# Altium PCB 测试样板PCB.PcbDoc (part 2 of 5) (continued)
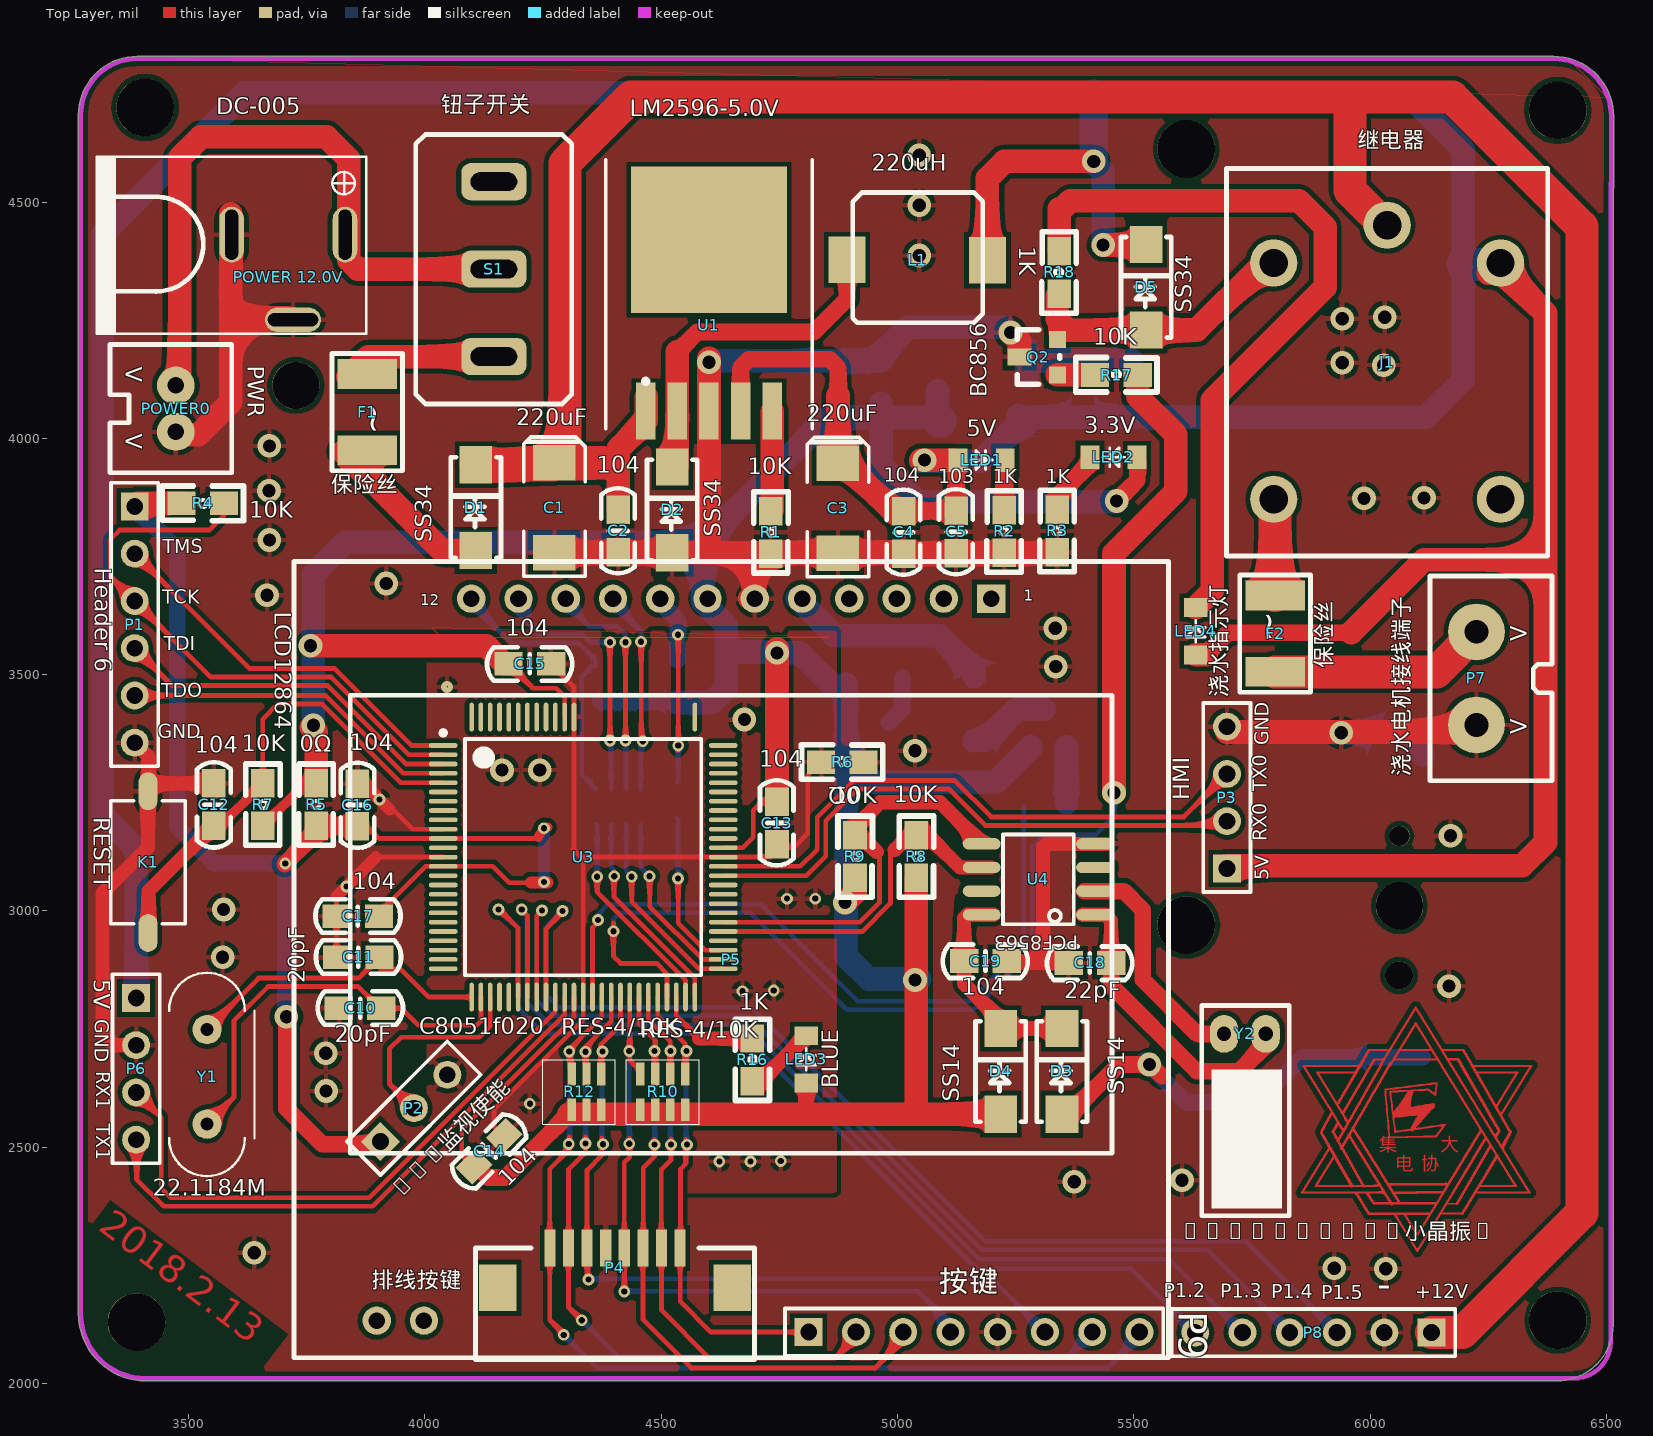
[diagram p0: Top Layer view]
## Nets (pads, with @x,y where several pads share a name; then routed paths per layer and width w, separated by ;. In a path a pad name is that pad's centre, name@x,y a point inside that pad or via, vN(x,y) a via of type N, cw(c..) or ccw(c..) an arc to the next point about the centre after c; other vN are vias at no path point) (continued)
5943.4,2454.6 ; 5937.8,2496.2 5945,2496.2 ; 5937.8,2499.4 5942.6,2499.4 ; 5937.8,2500.2 5942.6,2500.2 ; 5937.8,2528.2 5942.6,2528.2 ; 5937.8,2540.2 5943.4,2540.2 ; 5937.8,2541 5942.6,2541 ; 5937.8,2574.6 5945.8,2574.6 ; 5937.8,2575.4 5946.6,2575.4 ; 5937.8,2606.6 5942.6,2606.6 ; 5937.8,2607.4 5942.6,2607.4 ; 5938.6,2452.2 5944.2,2452.2 ; 5938.6,2453 5944.2,2453 ; 5938.6,2529 5942.6,2529 ; 5938.6,2529.8 5943.4,2529.8 ; 5938.6,2539.4 5949,2539.4 ; 5938.6,2573.8 5945.8,2573.8 ; 5938.6,2608.2 5943.4,2608.2 ; 5938.6,2609 5943.4,2609 ; 5939.4,2451.4 5945.8,2451.4 ; 5939.4,2461 5940.2,2461 ; 5939.4,2530.6 5943.4,2530.6 ; 5939.4,2531.4 5944.2,2531.4 ; 5939.4,2538.6 5948.2,2538.6 ; 5939.4,2572.2 5944.2,2572.2 ; 5939.4,2573 5945,2573 ; 5939.4,2609.8 5944.2,2609.8 ; 5940.2,2449.8 5946.6,2449.8 ; 5940.2,2450.6 5945.8,2450.6 ; 5940.2,2495.4 5945,2495.4 ; 5940.2,2532.2 5944.2,2532.2 ; 5940.2,2533 5945,2533 ; 5940.2,2537.8 5947.4,2537.8 ; 5940.2,2571.4 5944.2,2571.4 ; 5940.2,2610.6 5944.2,2610.6 ; 5940.2,2611.4 5945,2611.4 ; 5941,2448.2 5947.4,2448.2 ; 5941,2449 5946.6,2449 ; 5941,2494.6 5945.8,2494.6 ; 5941,2505 5945.8,2505 ; 5941,2505.8 5945.8,2505.8 ; 5941,2533.8 5945.8,2533.8 ; 5941,2534.6 5946.6,2534.6 ; 5941,2536.2 5946.6,2536.2 ; 5941,2537 5947.4,2537 ; 5941,2569.8 5945,2569.8 ; 5941,2570.6 5944.2,2570.6 ; 5941,2612.2 5945.8,2612.2 ; 5941,2613 5945.8,2613 ; 5941.8,2446.6 5948.2,2446.6 ; 5941.8,2447.4 5948.2,2447.4 ; 5941.8,2456.2 5942.6,2456.2 ; 5941.8,2493 5946.6,2493 ; 5941.8,2493.8 5945.8,2493.8 ; 5941.8,2506.6 5946.6,2506.6 ; 5941.8,2535.4 5946.6,2535.4 ; 5941.8,2568.2 5945.8,2568.2 ; 5941.8,2569 5945,2569 ; 5941.8,2613.8 5946.6,2613.8 ; 5942.6,2445.8 5948.2,2445.8 ; 5942.6,2491.4 5947.4,2491.4 ; 5942.6,2492.2 5946.6,2492.2 ; 5942.6,2507.4 5946.6,2507.4 ; 5942.6,2508.2 5947.4,2508.2 ; 5942.6,2567.4 5946.6,2567.4 ; 5942.6,2576.2 5946.6,2576.2 ; 5942.6,2577 5947.4,2577 ; 5942.6,2614.6 5946.6,2614.6 ; 5942.6,2615.4 5947.4,2615.4 ; 5943.4,2444.2 5949.8,2444.2 ; 5943.4,2445 5949,2445 ; 5943.4,2489.8 5948.2,2489.8 ; 5943.4,2490.6 5947.4,2490.6 ; 5943.4,2509 5947.4,2509 ; 5943.4,2509.8 5948.2,2509.8 ; 5943.4,2565.8 5947.4,2565.8 ; 5943.4,2566.6 5946.6,2566.6 ; 5943.4,2577.8 5948.2,2577.8 ; 5943.4,2578.6 5948.2,2578.6 ; 5943.4,2616.2 5948.2,2616.2 ; 5943.4,2617 5948.2,2617 ; 5944.2,2442.6 5950.6,2442.6 ; 5944.2,2443.4 5950.6,2443.4 ; 5944.2,2488.2 5949,2488.2 ; 5944.2,2489 5949,2489 ; 5944.2,2510.6 5949,2510.6 ; 5944.2,2511.4 5949,2511.4 ; 5944.2,2540.2 5949,2540.2 ; 5944.2,2564.2 5948.2,2564.2 ; 5944.2,2565 5948.2,2565 ; 5944.2,2579.4 5949,2579.4 ; 5944.2,2580.2 5949,2580.2 ; 5944.2,2617.8 5949,2617.8 ; 5944.2,2618.6 5949,2618.6 ; 5945,2441 5951.4,2441 ; 5945,2441.8 5949.8,2441.8 ; 5945,2487.4 5949.8,2487.4 ; 5945,2512.2 5949.8,2512.2 ; 5945,2541 5949.8,2541 ; 5945,2560.2 5950.6,2560.2 ; 5945,2561 5949.8,2561 ; 5945,2561.8 5949.8,2561.8 ; 5945,2563.4 5949,2563.4 ; 5945,2581 5949.8,2581 ; 5945,2619.4 5949.8,2619.4 ; 5945,2620.2 5949.8,2620.2 ; 5945.8,2439.4 5952.2,2439.4 ; 5945.8,2440.2 5952.2,2440.2 ; 5945.8,2485.8 5950.6,2485.8 ; 5945.8,2486.6 5949.8,2486.6 ; 5945.8,2513 5949.8,2513 ; 5945.8,2513.8 5950.6,2513.8 ; 5945.8,2541.8 5949.8,2541.8 ; 5945.8,2542.6 5950.6,2542.6 ; 5945.8,2559.4 5950.6,2559.4 ; 5945.8,2562.6 5949,2562.6 ; 5945.8,2581.8 5949.8,2581.8 ; 5945.8,2582.6 5950.6,2582.6 ; 5945.8,2621 5950.6,2621 ; 5945.8,2621.8 5951.4,2621.8 ; 5946.6,2438.6 5953,2438.6 ; 5946.6,2484.2 5951.4,2484.2 ; 5946.6,2485 5950.6,2485 ; 5946.6,2514.6 5951.4,2514.6 ; 5946.6,2515.4 5951.4,2515.4 ; 5946.6,2543.4 5950.6,2543.4 ; 5946.6,2544.2 5951.4,2544.2 ; 5946.6,2558.6 5951.4,2558.6 ; 5946.6,2583.4 5951.4,2583.4 ; 5946.6,2584.2 5951.4,2584.2 ; 5946.6,2622.6 5951.4,2622.6 ; 5947.4,2437 5953.8,2437 ; 5947.4,2437.8 5953,2437.8 ; 5947.4,2482.6 5952.2,2482.6 ; 5947.4,2483.4 5951.4,2483.4 ; 5947.4,2516.2 5952.2,2516.2 ; 5947.4,2545 5952.2,2545 ; 5947.4,2545.8 5952.2,2545.8 ; 5947.4,2557 5953,2557 ; 5947.4,2557.8 5952.2,2557.8 ; 5947.4,2585 5952.2,2585 ; 5947.4,2623.4 5952.2,2623.4 ; 5947.4,2624.2 5952.2,2624.2 ; 5948.2,2435.4 5953.8,2435.4 ; 5948.2,2436.2 5954.6,2436.2 ; 5948.2,2481 5953,2481 ; 5948.2,2481.8 5953,2481.8 ; 5948.2,2517 5952.2,2517 ; 5948.2,2517.8 5953,2517.8 ; 5948.2,2546.6 5953,2546.6 ; 5948.2,2556.2 5958.6,2556.2 ; 5948.2,2585.8 5952.2,2585.8 ; 5948.2,2586.6 5953,2586.6 ; 5948.2,2625 5953,2625 ; 5949,2433.8 5954.6,2433.8 ; 5949,2434.6 5953.8,2434.6 ; 5949,2480.2 5953.8,2480.2 ; 5949,2518.6 5953,2518.6 ; 5949,2519.4 5953.8,2519.4 ; 5949,2547.4 5953,2547.4 ; 5949,2548.2 5953.8,2548.2 ; 5949,2555.4 5957.8,2555.4 ; 5949,2587.4 5953.8,2587.4 ; 5949,2588.2 5953.8,2588.2 ; 5949,2625.8 5953.8,2625.8 ; 5949,2626.6 5953.8,2626.6 ; 5949.8,2433 5956.2,2433 ; 5949.8,2478.6 5954.6,2478.6 ; 5949.8,2479.4 5953.8,2479.4 ; 5949.8,2520.2 5954.6,2520.2 ; 5949.8,2521 5954.6,2521 ; 5949.8,2549 5953.8,2549 ; 5949.8,2549.8 5954.6,2549.8 ; 5949.8,2554.6 5957,2554.6 ; 5949.8,2589 5954.6,2589 ; 5949.8,2627.4 5954.6,2627.4 ; 5949.8,2628.2 5954.6,2628.2 ; 5950.6,2431.4 5957,2431.4 ; 5950.6,2432.2 5957,2432.2 ; 5950.6,2441.8 5951.4,2441.8 ; 5950.6,2477 5955.4,2477 ; 5950.6,2477.8 5954.6,2477.8 ; 5950.6,2521.8 5960.2,2521.8 ; 5950.6,2550.6 5955.4,2550.6 ; 5950.6,2551.4 5955.4,2551.4 ; 5950.6,2553 5956.2,2553 ; 5950.6,2553.8 5957,2553.8 ; 5950.6,2589.8 5954.6,2589.8 ; 5950.6,2590.6 5955.4,2590.6 ; 5950.6,2629 5955.4,2629 ; 5950.6,2629.8 5956.2,2629.8 ; 5951.4,2429.8 5957.8,2429.8 ; 5951.4,2430.6 5957.8,2430.6 ; 5951.4,2475.4 5956.2,2475.4 ; 5951.4,2476.2 5956.2,2476.2 ; 5951.4,2522.6 5960.2,2522.6 ; 5951.4,2523.4 5959.4,2523.4 ; 5951.4,2552.2 5956.2,2552.2 ; 5951.4,2591.4 5955.4,2591.4 ; 5951.4,2592.2 5956.2,2592.2 ; 5951.4,2630.6 5956.2,2630.6 ; 5952.2,2428.2 5957,2428.2 ; 5952.2,2429 5958.6,2429 ; 5952.2,2474.6 5957,2474.6 ; 5952.2,2524.2 5958.6,2524.2 ; 5952.2,2525 5958.6,2525 ; 5952.2,2593 5957,2593 ; 5952.2,2593.8 5957,2593.8 ; 5952.2,2631.4 5957,2631.4 ; 5952.2,2632.2 5957,2632.2 ; 5952.2,2633 5957.8,2633 ; 5953,2426.6 5958.6,2426.6 ; 5953,2427.4 5959.4,2427.4 ; 5953,2473 5957.8,2473 ; 5953,2473.8 5957,2473.8 ; 5953,2525.8 5957.8,2525.8 ; 5953,2526.6 5957.8,2526.6 ; 5953,2527.4 5958.6,2527.4 ; 5953,2594.6 5957.8,2594.6 ; 5953,2633.8 5957.8,2633.8 ; 5953.8,2425.8 5960.2,2425.8 ; 5953.8,2471.4 5958.6,2471.4 ; 5953.8,2472.2 5957.8,2472.2 ; 5953.8,2528.2 5958.6,2528.2 ; 5953.8,2557 5958.6,2557 ; 5953.8,2595.4 5957.8,2595.4 ; 5953.8,2596.2 5958.6,2596.2 ; 5953.8,2634.6 5958.6,2634.6 ; 5953.8,2635.4 5959.4,2635.4 ; 5954.6,2424.2 5961,2424.2 ; 5954.6,2425 5959.4,2425 ; 5954.6,2434.6 5955.4,2434.6 ; 5954.6,2469.8 5959.4,2469.8 ; 5954.6,2470.6 5958.6,2470.6 ; 5954.6,2529 5959.4,2529 ; 5954.6,2557.8 5959.4,2557.8 ; 5954.6,2597 5959.4,2597 ; 5954.6,2597.8 5959.4,2597.8 ; 5954.6,2636.2 5959.4,2636.2 ; 5954.6,2637 5960.2,2637 ; 5955.4,2422.6 5961.8,2422.6 ; 5955.4,2423.4 5961.8,2423.4 ; 5955.4,2468.2 5960.2,2468.2 ; 5955.4,2469 5960.2,2469 ; 5955.4,2529.8 5960.2,2529.8 ; 5955.4,2530.6 5960.2,2530.6 ; 5955.4,2558.6 5959.4,2558.6 ; 5955.4,2559.4 5960.2,2559.4 ; 5955.4,2598.6 5960.2,2598.6 ; 5955.4,2637.8 5960.2,2637.8 ; 5955.4,2638.6 5961,2638.6 ; 5956.2,2421 5963.4,2421 ; 5956.2,2421.8 5962.6,2421.8 ; 5956.2,2467.4 5961,2467.4 ; 5956.2,2521 5961,2521 ; 5956.2,2531.4 5961,2531.4 ; 5956.2,2532.2 5961,2532.2 ; 5956.2,2560.2 5960.2,2560.2 ; 5956.2,2561 5961,2561 ; 5956.2,2599.4 5960.2,2599.4 ; 5956.2,2600.2 5961,2600.2 ; 5957,2420.2 5963.4,2420.2 ; 5957,2465.8 5961.8,2465.8 ; 5957,2466.6 5961,2466.6 ; 5957,2519.4 5961.8,2519.4 ; 5957,2520.2 5961,2520.2 ; 5957,2533 5961.8,2533 ; 5957,2561.8 5961.8,2561.8 ; 5957,2562.6 5961.8,2562.6 ; 5957,2601 5961,2601 ; 5957,2601.8 5961.8,2601.8 ; 5957,2639.4 5961.8,2639.4 ; 5957,2640.2 5961.8,2640.2 ; 5957,2641 5962.6,2641 ; 5957.8,2428.2 5958.6,2428.2 ; 5957.8,2464.2 5962.6,2464.2 ; 5957.8,2465 5961.8,2465 ; 5957.8,2517.8 5962.6,2517.8 ; 5957.8,2518.6 5962.6,2518.6 ; 5957.8,2533.8 5961.8,2533.8 ; 5957.8,2534.6 5962.6,2534.6 ; 5957.8,2563.4 5962.6,2563.4 ; 5957.8,2602.6 5962.6,2602.6 ; 5957.8,2603.4 5962.6,2603.4 ; 5957.8,2641.8 5962.6,2641.8 ; 5957.8,2642.6 5963.4,2642.6 ; 5958.6,2462.6 5963.4,2462.6 ; 5958.6,2463.4 5962.6,2463.4 ; 5958.6,2517 5963.4,2517 ; 5958.6,2535.4 5963.4,2535.4 ; 5958.6,2536.2 5963.4,2536.2 ; 5958.6,2564.2 5962.6,2564.2 ; 5958.6,2565 5963.4,2565 ; 5958.6,2604.2 5963.4,2604.2 ; 5958.6,2643.4 5963.4,2643.4 ; 5958.6,2644.2 5964.2,2644.2 ; 5959.4,2416.2 5961.8,2416.2 ; 5959.4,2426.6 5960.2,2426.6 ; 5959.4,2461 5964.2,2461 ; 5959.4,2461.8 5964.2,2461.8 ; 5959.4,2515.4 5964.2,2515.4 ; 5959.4,2516.2 5964.2,2516.2 ; 5959.4,2537 5968.2,2537 ; 5959.4,2565.8 5963.4,2565.8 ; 5959.4,2566.6 5964.2,2566.6 ; 5959.4,2605 5963.4,2605 ; 5959.4,2605.8 5964.2,2605.8 ; 5959.4,2645 5965,2645 ; 5960.2,2425 5961,2425 ; 5960.2,2460.2 5965,2460.2 ; 5960.2,2513.8 5965,2513.8 ; 5960.2,2514.6 5965,2514.6 ; 5960.2,2537.8 5968.2,2537.8 ; 5960.2,2538.6 5967.4,2538.6 ; 5960.2,2567.4 5964.2,2567.4 ; 5960.2,2568.2 5965,2568.2 ; 5960.2,2606.6 5965,2606.6 ; 5960.2,2607.4 5965,2607.4 ; 5960.2,2645.8 5965,2645.8 ; 5960.2,2646.6 5965.8,2646.6 ; 5961,2458.6 5965.8,2458.6 ; 5961,2459.4 5965,2459.4 ; 5961,2513 5965.8,2513 ; 5961,2539.4 5966.6,2539.4 ; 5961,2540.2 5966.6,2540.2 ; 5961,2541 5966.6,2541 ; 5961,2541.8 5966.6,2541.8 ; 5961,2542.6 5967.4,2542.6 ; 5961,2569 5965.8,2569 ; 5961,2608.2 5965.8,2608.2 ; 5961,2647.4 5965.8,2647.4 ; 5961,2648.2 5966.6,2648.2 ; 5961.8,2457 5966.6,2457 ; 5961.8,2457.8 5965.8,2457.8 ; 5961.8,2511.4 5966.6,2511.4 ; 5961.8,2512.2 5966.6,2512.2 ; 5961.8,2543.4 5967.4,2543.4 ; 5961.8,2569.8 5965.8,2569.8 ; 5961.8,2570.6 5966.6,2570.6 ; 5961.8,2609 5965.8,2609 ; 5961.8,2609.8 5966.6,2609.8 ; 5961.8,2649 5967.4,2649 ; 5961.8,2649.8 5967.4,2649.8 ; 5962.6,2455.4 5967.4,2455.4 ; 5962.6,2456.2 5966.6,2456.2 ; 5962.6,2510.6 5967.4,2510.6 ; 5962.6,2571.4 5966.6,2571.4 ; 5962.6,2572.2 5967.4,2572.2 ; 5962.6,2610.6 5967.4,2610.6 ; 5962.6,2611.4 5967.4,2611.4 ; 5963.4,2454.6 5968.2,2454.6 ; 5963.4,2509 5968.2,2509 ; 5963.4,2509.8 5967.4,2509.8 ; 5963.4,2544.2 5968.2,2544.2 ; 5963.4,2573 5967.4,2573 ; 5963.4,2573.8 5968.2,2573.8 ; 5963.4,2612.2 5968.2,2612.2 ; 5963.4,2613 5968.2,2613 ; 5963.4,2650.6 5968.2,2650.6 ; 5963.4,2651.4 5968.2,2651.4 ; 5963.4,2652.2 5969,2652.2 ; 5964.2,2453 5969,2453 ; 5964.2,2453.8 5968.2,2453.8 ; 5964.2,2507.4 5969,2507.4 ; 5964.2,2508.2 5969,2508.2 ; 5964.2,2536.2 5969,2536.2 ; 5964.2,2545 5968.2,2545 ; 5964.2,2545.8 5969,2545.8 ; 5964.2,2574.6 5969,2574.6 ; 5964.2,2575.4 5969,2575.4 ; 5964.2,2613.8 5969,2613.8 ; 5964.2,2653 5969,2653 ; 5964.2,2653.8 5969.8,2653.8 ; 5965,2451.4 5969.8,2451.4 ; 5965,2452.2 5969,2452.2 ; 5965,2506.6 5969.8,2506.6 ; 5965,2534.6 5969.8,2534.6 ; 5965,2535.4 5969,2535.4 ; 5965,2546.6 5969.8,2546.6 ; 5965,2547.4 5969.8,2547.4 ; 5965,2576.2 5969.8,2576.2 ; 5965,2614.6 5969,2614.6 ; 5965,2615.4 5969.8,2615.4 ; 5965,2654.6 5970.6,2654.6 ; 5965,2655.4 5970.6,2655.4 ; 5965.8,2449.8 5970.6,2449.8 ; 5965.8,2450.6 5969.8,2450.6 ; 5965.8,2505 5970.6,2505 ; 5965.8,2505.8 5970.6,2505.8 ; 5965.8,2533 5970.6,2533 ; 5965.8,2533.8 5970.6,2533.8 ; 5965.8,2548.2 5970.6,2548.2 ; 5965.8,2577 5969.8,2577 ; 5965.8,2577.8 5970.6,2577.8 ; 5965.8,2616.2 5970.6,2616.2 ; 5965.8,2617 5970.6,2617 ; 5965.8,2657 5966.6,2657 ; 5966.6,2448.2 5971.4,2448.2 ; 5966.6,2449 5971.4,2449 ; 5966.6,2503.4 5971.4,2503.4 ; 5966.6,2504.2 5971.4,2504.2 ; 5966.6,2532.2 5971.4,2532.2 ; 5966.6,2549 5970.6,2549 ; 5966.6,2549.8 5971.4,2549.8 ; 5966.6,2578.6 5970.6,2578.6 ; 5966.6,2579.4 5971.4,2579.4 ; 5966.6,2617.8 5971.4,2617.8 ; 5966.6,2656.2 5971.4,2656.2 ; 5967.4,2447.4 5972.2,2447.4 ; 5967.4,2502.6 5972.2,2502.6 ; 5967.4,2530.6 5972.2,2530.6 ; 5967.4,2531.4 5972.2,2531.4 ; 5967.4,2550.6 5972.2,2550.6 ; 5967.4,2551.4 5972.2,2551.4 ; 5967.4,2580.2 5972.2,2580.2 ; 5967.4,2581 5972.2,2581 ; 5967.4,2618.6 5971.4,2618.6 ; 5967.4,2619.4 5972.2,2619.4 ; 5967.4,2657 5971.4,2657 ; 5968.2,2445.8 5973,2445.8 ; 5968.2,2446.6 5972.2,2446.6 ; 5968.2,2501 5973,2501 ; 5968.2,2501.8 5973,2501.8 ; 5968.2,2529.8 5973,2529.8 ; 5968.2,2552.2 5973,2552.2 ; 5968.2,2581.8 5973,2581.8 ; 5968.2,2620.2 5973,2620.2 ; 5968.2,2621 5973,2621 ; 5969,2401.8 5974.6,2401.8 ; 5969,2402.6 5973.8,2402.6 ; 5969,2444.2 5973.8,2444.2 ; 5969,2445 5973,2445 ; 5969,2500.2 5973.8,2500.2 ; 5969,2528.2 5973.8,2528.2 ; 5969,2529 5973,2529 ; 5969,2553 5973,2553 ; 5969,2553.8 5973.8,2553.8 ; 5969,2582.6 5973,2582.6 ; 5969,2583.4 5973.8,2583.4 ; 5969,2621.8 5973.8,2621.8 ; 5969,2622.6 5973.8,2622.6 ; 5969,2661 5973.8,2661 ; 5969,2661.8 5974.6,2661.8 ; 5969.8,2401 5974.6,2401 ; 5969.8,2442.6 5974.6,2442.6 ; 5969.8,2443.4 5973.8,2443.4 ; 5969.8,2498.6 5974.6,2498.6 ; 5969.8,2499.4 5973.8,2499.4 ; 5969.8,2526.6 5974.6,2526.6 ; 5969.8,2527.4 5974.6,2527.4 ; 5969.8,2554.6 5973.8,2554.6 ; 5969.8,2555.4 5974.6,2555.4 ; 5969.8,2584.2 5973.8,2584.2 ; 5969.8,2585 5974.6,2585 ; 5969.8,2623.4 5974.6,2623.4 ; 5969.8,2662.6 5974.6,2662.6 ; 5969.8,2663.4 5975.4,2663.4 ; 5970.6,2399.4 5975.4,2399.4 ; 5970.6,2400.2 5975.4,2400.2 ; 5970.6,2441 5975.4,2441 ; 5970.6,2441.8 5975.4,2441.8 ; 5970.6,2497 5975.4,2497 ; 5970.6,2497.8 5975.4,2497.8 ; 5970.6,2525.8 5975.4,2525.8 ; 5970.6,2556.2 5975.4,2556.2 ; 5970.6,2557 5975.4,2557 ; 5970.6,2585.8 5975.4,2585.8 ; 5970.6,2586.6 5975.4,2586.6 ; 5970.6,2624.2 5974.6,2624.2 ; 5970.6,2625 5975.4,2625 ; 5970.6,2664.2 5976.2,2664.2 ; 5971.4,2397.8 5976.2,2397.8 ; 5971.4,2398.6 5976.2,2398.6 ; 5971.4,2440.2 5976.2,2440.2 ; 5971.4,2496.2 5976.2,2496.2 ; 5971.4,2524.2 5976.2,2524.2 ; 5971.4,2525 5976.2,2525 ; 5971.4,2557.8 5976.2,2557.8 ; 5971.4,2587.4 5976.2,2587.4 ; 5971.4,2625.8 5976.2,2625.8 ; 5971.4,2626.6 5976.2,2626.6 ; 5971.4,2665 5976.2,2665 ; 5971.4,2665.8 5977,2665.8 ; 5972.2,2397 5977,2397 ; 5972.2,2438.6 5977,2438.6 ; 5972.2,2439.4 5976.2,2439.4 ; 5972.2,2494.6 5977,2494.6 ; 5972.2,2495.4 5977,2495.4 ; 5972.2,2523.4 5977,2523.4 ; 5972.2,2558.6 5976.2,2558.6 ; 5972.2,2559.4 5977,2559.4 ; 5972.2,2588.2 5976.2,2588.2 ; 5972.2,2589 5977,2589 ; 5972.2,2627.4 5977,2627.4 ; 5972.2,2666.6 5977,2666.6 ; 5972.2,2667.4 5977.8,2667.4 ; 5973,2395.4 5977.8,2395.4 ; 5973,2396.2 5977.8,2396.2 ; 5973,2437 5977.8,2437 ; 5973,2437.8 5977,2437.8 ; 5973,2493 5977.8,2493 ; 5973,2493.8 5977.8,2493.8 ; 5973,2521.8 5977.8,2521.8 ; 5973,2522.6 5977,2522.6 ; 5973,2560.2 5977,2560.2 ; 5973,2561 5977.8,2561 ; 5973,2589.8 5977,2589.8 ; 5973,2590.6 5977.8,2590.6 ; 5973,2628.2 5977,2628.2 ; 5973,2629 5977.8,2629 ; 5973,2669 5978.6,2669 ; 5973.8,2393.8 5978.6,2393.8 ; 5973.8,2394.6 5978.6,2394.6 ; 5973.8,2435.4 5978.6,2435.4 ; 5973.8,2436.2 5977.8,2436.2 ; 5973.8,2492.2 5978.6,2492.2 ; 5973.8,2520.2 5978.6,2520.2 ; 5973.8,2521 5978.6,2521 ; 5973.8,2561.8 5978.6,2561.8 ; 5973.8,2562.6 5978.6,2562.6 ; 5973.8,2591.4 5978.6,2591.4 ; 5973.8,2592.2 5978.6,2592.2 ; 5973.8,2629.8 5978.6,2629.8 ; 5973.8,2630.6 5978.6,2630.6 ; 5973.8,2668.2 5978.6,2668.2 ; 5973.8,2670.6 5979.4,2670.6 ; 5974.6,2393 5979.4,2393 ; 5974.6,2433.8 5979.4,2433.8 ; 5974.6,2434.6 5979.4,2434.6 ; 5974.6,2490.6 5979.4,2490.6 ; 5974.6,2491.4 5979.4,2491.4 ; 5974.6,2519.4 5979.4,2519.4 ; 5974.6,2563.4 5979.4,2563.4 ; 5974.6,2593 5979.4,2593 ; 5974.6,2631.4 5979.4,2631.4 ; 5974.6,2632.2 5979.4,2632.2 ; 5974.6,2669.8 5979.4,2669.8 ; 5975.4,2391.4 5980.2,2391.4 ; 5975.4,2392.2 5980.2,2392.2 ; 5975.4,2433 5980.2,2433 ; 5975.4,2489.8 5980.2,2489.8 ; 5975.4,2517.8 5980.2,2517.8 ; 5975.4,2518.6 5980.2,2518.6 ; 5975.4,2564.2 5979.4,2564.2 ; 5975.4,2565 5980.2,2565 ; 5975.4,2593.8 5979.4,2593.8 ; 5975.4,2594.6 5980.2,2594.6 ; 5975.4,2633 5980.2,2633 ; 5976.2,2390.6 5981,2390.6 ; 5976.2,2431.4 5981,2431.4 ; 5976.2,2432.2 5980.2,2432.2 ; 5976.2,2488.2 5981,2488.2 ; 5976.2,2489 5981,2489 ; 5976.2,2517 5981,2517 ; 5976.2,2565.8 5981,2565.8 ; 5976.2,2566.6 5981,2566.6 ; 5976.2,2595.4 5980.2,2595.4 ; 5976.2,2596.2 5981,2596.2 ; 5976.2,2633.8 5980.2,2633.8 ; 5976.2,2634.6 5981,2634.6 ; 5976.2,2672.2 5980.2,2672.2 ; 5976.2,2674.6 5981.8,2674.6 ; 5977,2389 5981.8,2389 ; 5977,2389.8 5981,2389.8 ; 5977,2429.8 5981.8,2429.8 ; 5977,2430.6 5981,2430.6 ; 5977,2486.6 5981.8,2486.6 ; 5977,2487.4 5981.8,2487.4 ; 5977,2515.4 5981.8,2515.4 ; 5977,2516.2 5981,2516.2 ; 5977,2567.4 5981.8,2567.4 ; 5977,2568.2 5981.8,2568.2 ; 5977,2597 5981.8,2597 ; 5977,2597.8 5981.8,2597.8 ; 5977,2635.4 5981.8,2635.4 ; 5977,2636.2 5981.8,2636.2 ; 5977,2675.4 5982.6,2675.4 ; 5977.8,2387.4 5982.6,2387.4 ; 5977.8,2388.2 5982.6,2388.2 ; 5977.8,2428.2 5982.6,2428.2 ; 5977.8,2429 5982.6,2429 ; 5977.8,2485.8 5982.6,2485.8 ; 5977.8,2513.8 5982.6,2513.8 ; 5977.8,2514.6 5982.6,2514.6 ; 5977.8,2569 5982.6,2569 ; 5977.8,2598.6 5982.6,2598.6 ; 5977.8,2637 5982.6,2637 ; 5977.8,2676.2 5982.6,2676.2 ; 5978.6,2386.6 5983.4,2386.6 ; 5978.6,2427.4 5983.4,2427.4 ; 5978.6,2484.2 5983.4,2484.2 ; 5978.6,2485 5983.4,2485 ; 5978.6,2513 5983.4,2513 ; 5978.6,2569.8 5982.6,2569.8 ; 5978.6,2570.6 5983.4,2570.6 ; 5978.6,2599.4 5982.6,2599.4 ; 5978.6,2600.2 5983.4,2600.2 ; 5978.6,2637.8 5982.6,2637.8 ; 5978.6,2638.6 5983.4,2638.6 ; 5978.6,2677 5983.4,2677 ; 5978.6,2677.8 5984.2,2677.8 ; 5978.6,2678.6 5984.2,2678.6 ; 5979.4,2385 5984.2,2385 ; 5979.4,2385.8 5983.4,2385.8 ; 5979.4,2425.8 5984.2,2425.8 ; 5979.4,2426.6 5983.4,2426.6 ; 5979.4,2483.4 5984.2,2483.4 ; 5979.4,2511.4 5984.2,2511.4 ; 5979.4,2512.2 5984.2,2512.2 ; 5979.4,2571.4 5984.2,2571.4 ; 5979.4,2572.2 5984.2,2572.2 ; 5979.4,2601 5983.4,2601 ; 5979.4,2601.8 5984.2,2601.8 ; 5979.4,2639.4 5984.2,2639.4 ; 5979.4,2640.2 5984.2,2640.2 ; 5979.4,2679.4 5985,2679.4 ; 5979.4,2680.2 5985,2680.2 ; 5980.2,2383.4 5985,2383.4 ; 5980.2,2384.2 5985,2384.2 ; 5980.2,2424.2 5985,2424.2 ; 5980.2,2425 5984.2,2425 ; 5980.2,2481.8 5985,2481.8 ; 5980.2,2482.6 5984.2,2482.6 ; 5980.2,2510.6 5985,2510.6 ; 5980.2,2573 5985,2573 ; 5980.2,2602.6 5985,2602.6 ; 5980.2,2603.4 5985,2603.4 ; 5980.2,2641 5985,2641 ; 5980.2,2641.8 5985,2641.8 ; 5980.2,2681 5985.8,2681 ; 5981,2382.6 5985.8,2382.6 ; 5981,2422.6 5985.8,2422.6 ; 5981,2423.4 5985,2423.4 ; 5981,2480.2 5985.8,2480.2 ; 5981,2481 5985.8,2481 ; 5981,2509 5985.8,2509 ; 5981,2509.8 5985,2509.8 ; 5981,2573.8 5985,2573.8 ; 5981,2574.6 5985.8,2574.6 ; 5981,2604.2 5985.8,2604.2 ; 5981,2642.6 5985.8,2642.6 ; 5981,2681.8 5986.6,2681.8 ; 5981,2682.6 5986.6,2682.6 ; 5981.8,2381 5986.6,2381 ; 5981.8,2381.8 5985.8,2381.8 ; 5981.8,2421 5986.6,2421 ; 5981.8,2421.8 5986.6,2421.8 ; 5981.8,2479.4 5986.6,2479.4 ; 5981.8,2507.4 5986.6,2507.4 ; 5981.8,2508.2 5986.6,2508.2 ; 5981.8,2575.4 5985.8,2575.4 ; 5981.8,2576.2 5986.6,2576.2 ; 5981.8,2605 5985.8,2605 ; 5981.8,2605.8 5986.6,2605.8 ; 5981.8,2643.4 5985.8,2643.4 ; 5981.8,2644.2 5986.6,2644.2 ; 5981.8,2683.4 5987.4,2683.4 ; 5981.8,2684.2 5987.4,2684.2 ; 5982.6,2379.4 5987.4,2379.4 ; 5982.6,2380.2 5987.4,2380.2 ; 5982.6,2420.2 5987.4,2420.2 ; 5982.6,2477.8 5987.4,2477.8 ; 5982.6,2478.6 5987.4,2478.6 ; 5982.6,2506.6 5987.4,2506.6 ; 5982.6,2577 5987.4,2577 ; 5982.6,2577.8 5987.4,2577.8 ; 5982.6,2606.6 5986.6,2606.6 ; 5982.6,2607.4 5987.4,2607.4 ; 5982.6,2645 5987.4,2645 ; 5982.6,2645.8 5987.4,2645.8 ; 5982.6,2685 5988.2,2685 ; 5983.4,2378.6 5988.2,2378.6 ; 5983.4,2476.2 5988.2,2476.2 ; 5983.4,2477 5988.2,2477 ; 5983.4,2505 5988.2,2505 ; 5983.4,2505.8 5988.2,2505.8 ; 5983.4,2578.6 5988.2,2578.6 ; 5983.4,2608.2 5987.4,2608.2 ; 5983.4,2609 5988.2,2609 ; 5983.4,2646.6 5988.2,2646.6 ; 5983.4,2685.8 5988.2,2685.8 ; 5983.4,2686.6 5989,2686.6 ; 5984.2,2377 5989,2377 ; 5984.2,2377.8 5988.2,2377.8 ; 5984.2,2475.4 5989,2475.4 ; 5984.2,2504.2 5989,2504.2 ; 5984.2,2579.4 5988.2,2579.4 ; 5984.2,2580.2 5989,2580.2 ; 5984.2,2609.8 5989,2609.8 ; 5984.2,2647.4 5988.2,2647.4 ; 5984.2,2648.2 5989,2648.2 ; 5984.2,2687.4 5989.8,2687.4 ; 5984.2,2688.2 5989.8,2688.2 ; 5985,2375.4 5989.8,2375.4 ; 5985,2376.2 5989.8,2376.2 ; 5985,2416.2 5987.4,2416.2 ; 5985,2473.8 5989.8,2473.8 ; 5985,2474.6 5989.8,2474.6 ; 5985,2502.6 5989.8,2502.6 ; 5985,2503.4 5989,2503.4 ; 5985,2581 5989,2581 ; 5985,2581.8 5989.8,2581.8 ; 5985,2610.6 5989,2610.6 ; 5985,2611.4 5989.8,2611.4 ; 5985,2649 5989.8,2649 ; 5985,2649.8 5989.8,2649.8 ; 5985,2689 5990.6,2689 ; 5985,2689.8 5985.8,2689.8 ; 5985.8,2374.6 5990.6,2374.6 ; 5985.8,2473 5990.6,2473 ; 5985.8,2501 5990.6,2501 ; 5985.8,2501.8 5990.6,2501.8 ; 5985.8,2582.6 5990.6,2582.6 ; 5985.8,2583.4 5990.6,2583.4 ; 5985.8,2612.2 5989.8,2612.2 ; 5985.8,2613 5990.6,2613 ; 5985.8,2650.6 5990.6,2650.6 ; 5985.8,2690.6 5991.4,2690.6 ; 5986.6,2373 5991.4,2373 ; 5986.6,2373.8 5991.4,2373.8 ; 5986.6,2471.4 5991.4,2471.4 ; 5986.6,2472.2 5990.6,2472.2 ; 5986.6,2500.2 5991.4,2500.2 ; 5986.6,2584.2 5991.4,2584.2 ; 5986.6,2613.8 5990.6,2613.8 ; 5986.6,2614.6 5991.4,2614.6 ; 5986.6,2651.4 5990.6,2651.4 ; 5986.6,2652.2 5991.4,2652.2 ; 5986.6,2689.8 5990.6,2689.8 ; 5986.6,2691.4 5992.2,2691.4 ; 5986.6,2692.2 5992.2,2692.2 ; 5987.4,2371.4 5992.2,2371.4 ; 5987.4,2372.2 5992.2,2372.2 ; 5987.4,2469.8 5992.2,2469.8 ; 5987.4,2470.6 5992.2,2470.6 ; 5987.4,2498.6 5992.2,2498.6 ; 5987.4,2499.4 5992.2,2499.4 ; 5987.4,2585 5991.4,2585 ; 5987.4,2585.8 5992.2,2585.8 ; 5987.4,2615.4 5992.2,2615.4 ; 5987.4,2616.2 5992.2,2616.2 ; 5987.4,2653 5991.4,2653 ; 5987.4,2653.8 5992.2,2653.8 ; 5987.4,2693 5993,2693 ; 5987.4,2693.8 5993,2693.8 ; 5988.2,2370.6 5993,2370.6 ; 5988.2,2469 5993,2469 ; 5988.2,2497.8 5993,2497.8 ; 5988.2,2586.6 5993,2586.6 ; 5988.2,2587.4 5993,2587.4 ; 5988.2,2617 5993,2617 ; 5988.2,2654.6 5993,2654.6 ; 5988.2,2655.4 5993,2655.4 ; 5989,2369 5993.8,2369 ; 5989,2369.8 5993.8,2369.8 ; 5989,2467.4 5993.8,2467.4 ; 5989,2468.2 5993.8,2468.2 ; 5989,2496.2 5993.8,2496.2 ; 5989,2497 5993,2497 ; 5989,2588.2 5993.8,2588.2 ; 5989,2617.8 5993,2617.8 ; 5989,2618.6 5993.8,2618.6 ; 5989,2656.2 5993.8,2656.2 ; 5989,2694.6 5993.8,2694.6 ; 5989,2695.4 5993.8,2695.4 ; 5989,2696.2 5994.6,2696.2 ; 5989.8,2368.2 5994.6,2368.2 ; 5989.8,2465.8 5994.6,2465.8 ; 5989.8,2466.6 5994.6,2466.6 ; 5989.8,2494.6 5994.6,2494.6 ; 5989.8,2495.4 5994.6,2495.4 ; 5989.8,2589 5993.8,2589 ; 5989.8,2589.8 5994.6,2589.8 ; 5989.8,2619.4 5993.8,2619.4 ; 5989.8,2620.2 5994.6,2620.2 ; 5989.8,2657 5993.8,2657 ; 5989.8,2657.8 5994.6,2657.8 ; 5989.8,2697 5995.4,2697 ; 5989.8,2697.8 5995.4,2697.8 ; 5990.6,2366.6 5995.4,2366.6 ; 5990.6,2367.4 5994.6,2367.4 ; 5990.6,2465 5995.4,2465 ; 5990.6,2493.8 5995.4,2493.8 ; 5990.6,2590.6 5994.6,2590.6 ; 5990.6,2591.4 5995.4,2591.4 ; 5990.6,2621 5995.4,2621 ; 5990.6,2621.8 5995.4,2621.8 ; 5990.6,2658.6 5995.4,2658.6 ; 5990.6,2659.4 5995.4,2659.4 ; 5990.6,2698.6 5996.2,2698.6 ; 5990.6,2699.4 5996.2,2699.4 ; 5991.4,2365 5996.2,2365 ; 5991.4,2365.8 5996.2,2365.8 ; 5991.4,2402.6 5997,2402.6 ; 5991.4,2463.4 5996.2,2463.4 ; 5991.4,2464.2 5996.2,2464.2 ; 5991.4,2492.2 5996.2,2492.2 ; 5991.4,2493 5996.2,2493 ; 5991.4,2592.2 5996.2,2592.2 ; 5991.4,2593 5996.2,2593 ; 5991.4,2622.6 5996.2,2622.6 ; 5991.4,2660.2 5996.2,2660.2 ; 5991.4,2700.2 5997,2700.2 ; 5991.4,2701 5997.8,2701 ; 5992.2,2364.2 5997,2364.2 ; 5992.2,2401 5997.8,2401 ; 5992.2,2401.8 5997.8,2401.8 ; 5992.2,2462.6 5997,2462.6 ; 5992.2,2491.4 5997,2491.4 ; 5992.2,2593.8 5997,2593.8 ; 5992.2,2623.4 5996.2,2623.4 ; 5992.2,2624.2 5997,2624.2 ; 5992.2,2661 5996.2,2661 ; 5992.2,2661.8 5997,2661.8 ; 5992.2,2701.8 5997.8,2701.8 ; 5993,2362.6 5997.8,2362.6 ; 5993,2363.4 5997,2363.4 ; 5993,2400.2 5998.6,2400.2 ; 5993,2461 5997.8,2461 ; 5993,2461.8 5997.8,2461.8 ; 5993,2489.8 5997.8,2489.8 ; 5993,2490.6 5997,2490.6 ; 5993,2594.6 5997,2594.6 ; 5993,2595.4 5997.8,2595.4 ; 5993,2625 5997,2625 ; 5993,2625.8 5997.8,2625.8 ; 5993,2662.6 5997.8,2662.6 ; 5993,2663.4 5997.8,2663.4 ; 5993,2702.6 5998.6,2702.6 ; 5993,2703.4 5998.6,2703.4 ; 5993.8,2361 6124.2,2361 ; 5993.8,2361.8 5998.6,2361.8 ; 5993.8,2398.6 5999.4,2398.6 ; 5993.8,2399.4 5999.4,2399.4 ; 5993.8,2459.4 5998.6,2459.4 ; 5993.8,2460.2 5998.6,2460.2 ; 5993.8,2488.2 5998.6,2488.2 ; 5993.8,2489 5998.6,2489 ; 5993.8,2596.2 5997.8,2596.2 ; 5993.8,2597 5998.6,2597 ; 5993.8,2626.6 5998.6,2626.6 ; 5993.8,2627.4 5998.6,2627.4 ; 5993.8,2664.2 5998.6,2664.2 ; 5993.8,2665 5998.6,2665 ; 5993.8,2704.2 5999.4,2704.2 ; 5994.6,2360.2 6129.8,2360.2 ; 5994.6,2397.8 6000.2,2397.8 ; 5994.6,2458.6 5999.4,2458.6 ; 5994.6,2487.4 5999.4,2487.4 ; 5994.6,2597.8 5999.4,2597.8 ; 5994.6,2598.6 5999.4,2598.6 ; 5994.6,2628.2 5999.4,2628.2 ; 5994.6,2665.8 5999.4,2665.8 ; 5994.6,2705 5999.4,2705 ; 5994.6,2705.8 6037.8,2705.8 ; 5995.4,2358.6 6121.8,2358.6 ; 5995.4,2359.4 6124.2,2359.4 ; 5995.4,2396.2 6001,2396.2 ; 5995.4,2397 6000.2,2397 ; 5995.4,2457 6000.2,2457 ; 5995.4,2457.8 6000.2,2457.8 ; 5995.4,2485.8 6000.2,2485.8 ; 5995.4,2486.6 6000.2,2486.6 ; 5995.4,2599.4 6000.2,2599.4 ; 5995.4,2629 5999.4,2629 ; 5995.4,2629.8 6000.2,2629.8 ; 5995.4,2666.6 5999.4,2666.6 ; 5995.4,2667.4 6000.2,2667.4 ; 5995.4,2706.6 6043.4,2706.6 ; 5996.2,2357.8 6059.4,2357.8 ; 5996.2,2395.4 6001,2395.4 ; 5996.2,2456.2 6001,2456.2 ; 5996.2,2485 6001,2485 ; 5996.2,2600.2 6000.2,2600.2 ; 5996.2,2601 6001,2601 ; 5996.2,2630.6 6000.2,2630.6 ; 5996.2,2631.4 6001,2631.4 ; 5996.2,2668.2 6001,2668.2 ; 5996.2,2669 6001,2669 ; 5996.2,2707.4 5999.4,2707.4 ; 5997,2393.8 6002.6,2393.8 ; 5997,2394.6 6001.8,2394.6 ; 5997,2454.6 6001.8,2454.6 ; 5997,2455.4 6001,2455.4 ; 5997,2483.4 6001.8,2483.4 ; 5997,2484.2 6001,2484.2 ; 5997,2601.8 6001.8,2601.8 ; 5997,2602.6 6001.8,2602.6 ; 5997,2632.2 6001.8,2632.2 ; 5997,2633 6001.8,2633 ; 5997,2669.8 6001.8,2669.8 ; 5997.8,2393 6002.6,2393 ; 5997.8,2453 6002.6,2453 ; 5997.8,2453.8 6002.6,2453.8 ; 5997.8,2481.8 6002.6,2481.8 ; 5997.8,2482.6 6002.6,2482.6 ; 5997.8,2603.4 6002.6,2603.4 ; 5997.8,2604.2 6002.6,2604.2 ; 5997.8,2633.8 6002.6,2633.8 ; 5997.8,2670.6 6001.8,2670.6 ; 5997.8,2671.4 6002.6,2671.4 ; 5998.6,2391.4 6004.2,2391.4 ; 5998.6,2392.2 6003.4,2392.2 ; 5998.6,2452.2 6003.4,2452.2 ; 5998.6,2481 6003.4,2481 ; 5998.6,2605 6003.4,2605 ; 5998.6,2634.6 6002.6,2634.6 ; 5998.6,2635.4 6003.4,2635.4 ; 5998.6,2672.2 6003.4,2672.2 ; 5998.6,2673 6003.4,2673 ; 5999.4,2390.6 6004.2,2390.6 ; 5999.4,2450.6 6004.2,2450.6 ; 5999.4,2451.4 6004.2,2451.4 ; 5999.4,2479.4 6004.2,2479.4 ; 5999.4,2480.2 6004.2,2480.2 ; 5999.4,2605.8 6003.4,2605.8 ; 5999.4,2606.6 6004.2,2606.6 ; 5999.4,2636.2 6003.4,2636.2 ; 5999.4,2637 6004.2,2637 ; 5999.4,2673.8 6004.2,2673.8 ; 5999.4,2674.6 6004.2,2674.6 ; 6000.2,2389 6005.8,2389 ; 6000.2,2389.8 6005,2389.8 ; 6000.2,2449 6005,2449 ; 6000.2,2449.8 6005,2449.8 ; 6000.2,2478.6 6005,2478.6 ; 6000.2,2607.4 6005,2607.4 ; 6000.2,2608.2 6005,2608.2 ; 6000.2,2637.8 6005,2637.8 ; 6000.2,2638.6 6005,2638.6 ; 6000.2,2675.4 6005,2675.4 ; 6000.2,2707.4 6035.4,2707.4 ; 6001,2388.2 6005.8,2388.2 ; 6001,2448.2 6005.8,2448.2 ; 6001,2477 6005.8,2477 ; 6001,2477.8 6005,2477.8 ; 6001,2609 6005.8,2609 ; 6001,2639.4 6005.8,2639.4 ; 6001,2676.2 6005,2676.2 ; 6001,2677 6005.8,2677 ; 6001.8,2386.6 6007.4,2386.6 ; 6001.8,2387.4 6006.6,2387.4 ; 6001.8,2446.6 6006.6,2446.6 ; 6001.8,2447.4 6006.6,2447.4 ; 6001.8,2475.4 6006.6,2475.4 ; 6001.8,2476.2 6006.6,2476.2 ; 6001.8,2609.8 6005.8,2609.8 ; 6001.8,2610.6 6006.6,2610.6 ; 6001.8,2640.2 6005.8,2640.2 ; 6001.8,2641 6006.6,2641 ; 6001.8,2677.8 6006.6,2677.8 ; 6001.8,2678.6 6006.6,2678.6 ; 6002.6,2385.8 6007.4,2385.8 ; 6002.6,2445.8 6007.4,2445.8 ; 6002.6,2474.6 6007.4,2474.6 ; 6002.6,2611.4 6006.6,2611.4 ; 6002.6,2612.2 6007.4,2612.2 ; 6002.6,2641.8 6006.6,2641.8 ; 6002.6,2642.6 6007.4,2642.6 ; 6002.6,2679.4 6007.4,2679.4 ; 6003.4,2384.2 6008.2,2384.2 ; 6003.4,2385 6008.2,2385 ; 6003.4,2444.2 6008.2,2444.2 ; 6003.4,2445 6007.4,2445 ; 6003.4,2473 6008.2,2473 ; 6003.4,2473.8 6008.2,2473.8 ; 6003.4,2613 6008.2,2613 ; 6003.4,2613.8 6008.2,2613.8 ; 6003.4,2643.4 6008.2,2643.4 ; 6003.4,2644.2 6008.2,2644.2 ; 6003.4,2680.2 6007.4,2680.2 ; 6003.4,2681 6008.2,2681 ; 6004.2,2383.4 6144.2,2383.4 ; 6004.2,2442.6 6009,2442.6 ; 6004.2,2443.4 6009,2443.4 ; 6004.2,2472.2 6009,2472.2 ; 6004.2,2614.6 6009,2614.6 ; 6004.2,2645 6009,2645 ; 6004.2,2681.8 6009,2681.8 ; 6004.2,2682.6 6009,2682.6 ; 6005,2382.6 6143.4,2382.6 ; 6005,2441.8 6009.8,2441.8 ; 6005,2470.6 6009.8,2470.6 ; 6005,2471.4 6009,2471.4 ; 6005,2615.4 6009,2615.4 ; 6005,2616.2 6009.8,2616.2